# Altium PCB FPGA_Module.PcbDoc (part 6 of 6)
Units mm, origin at the board's own origin, x right, y up, seen from the top; angles counter-clockwise.
Board outline 40 x 50 mm, 6 copper layers (Top Layer, Int1 (GND), Int2 (Sign), Int3 (Sign), Int4 (GND), Bottom Layer), stack 1.482 mm thick; 195 components, 212 nets, 1182 pads, 669 vias.
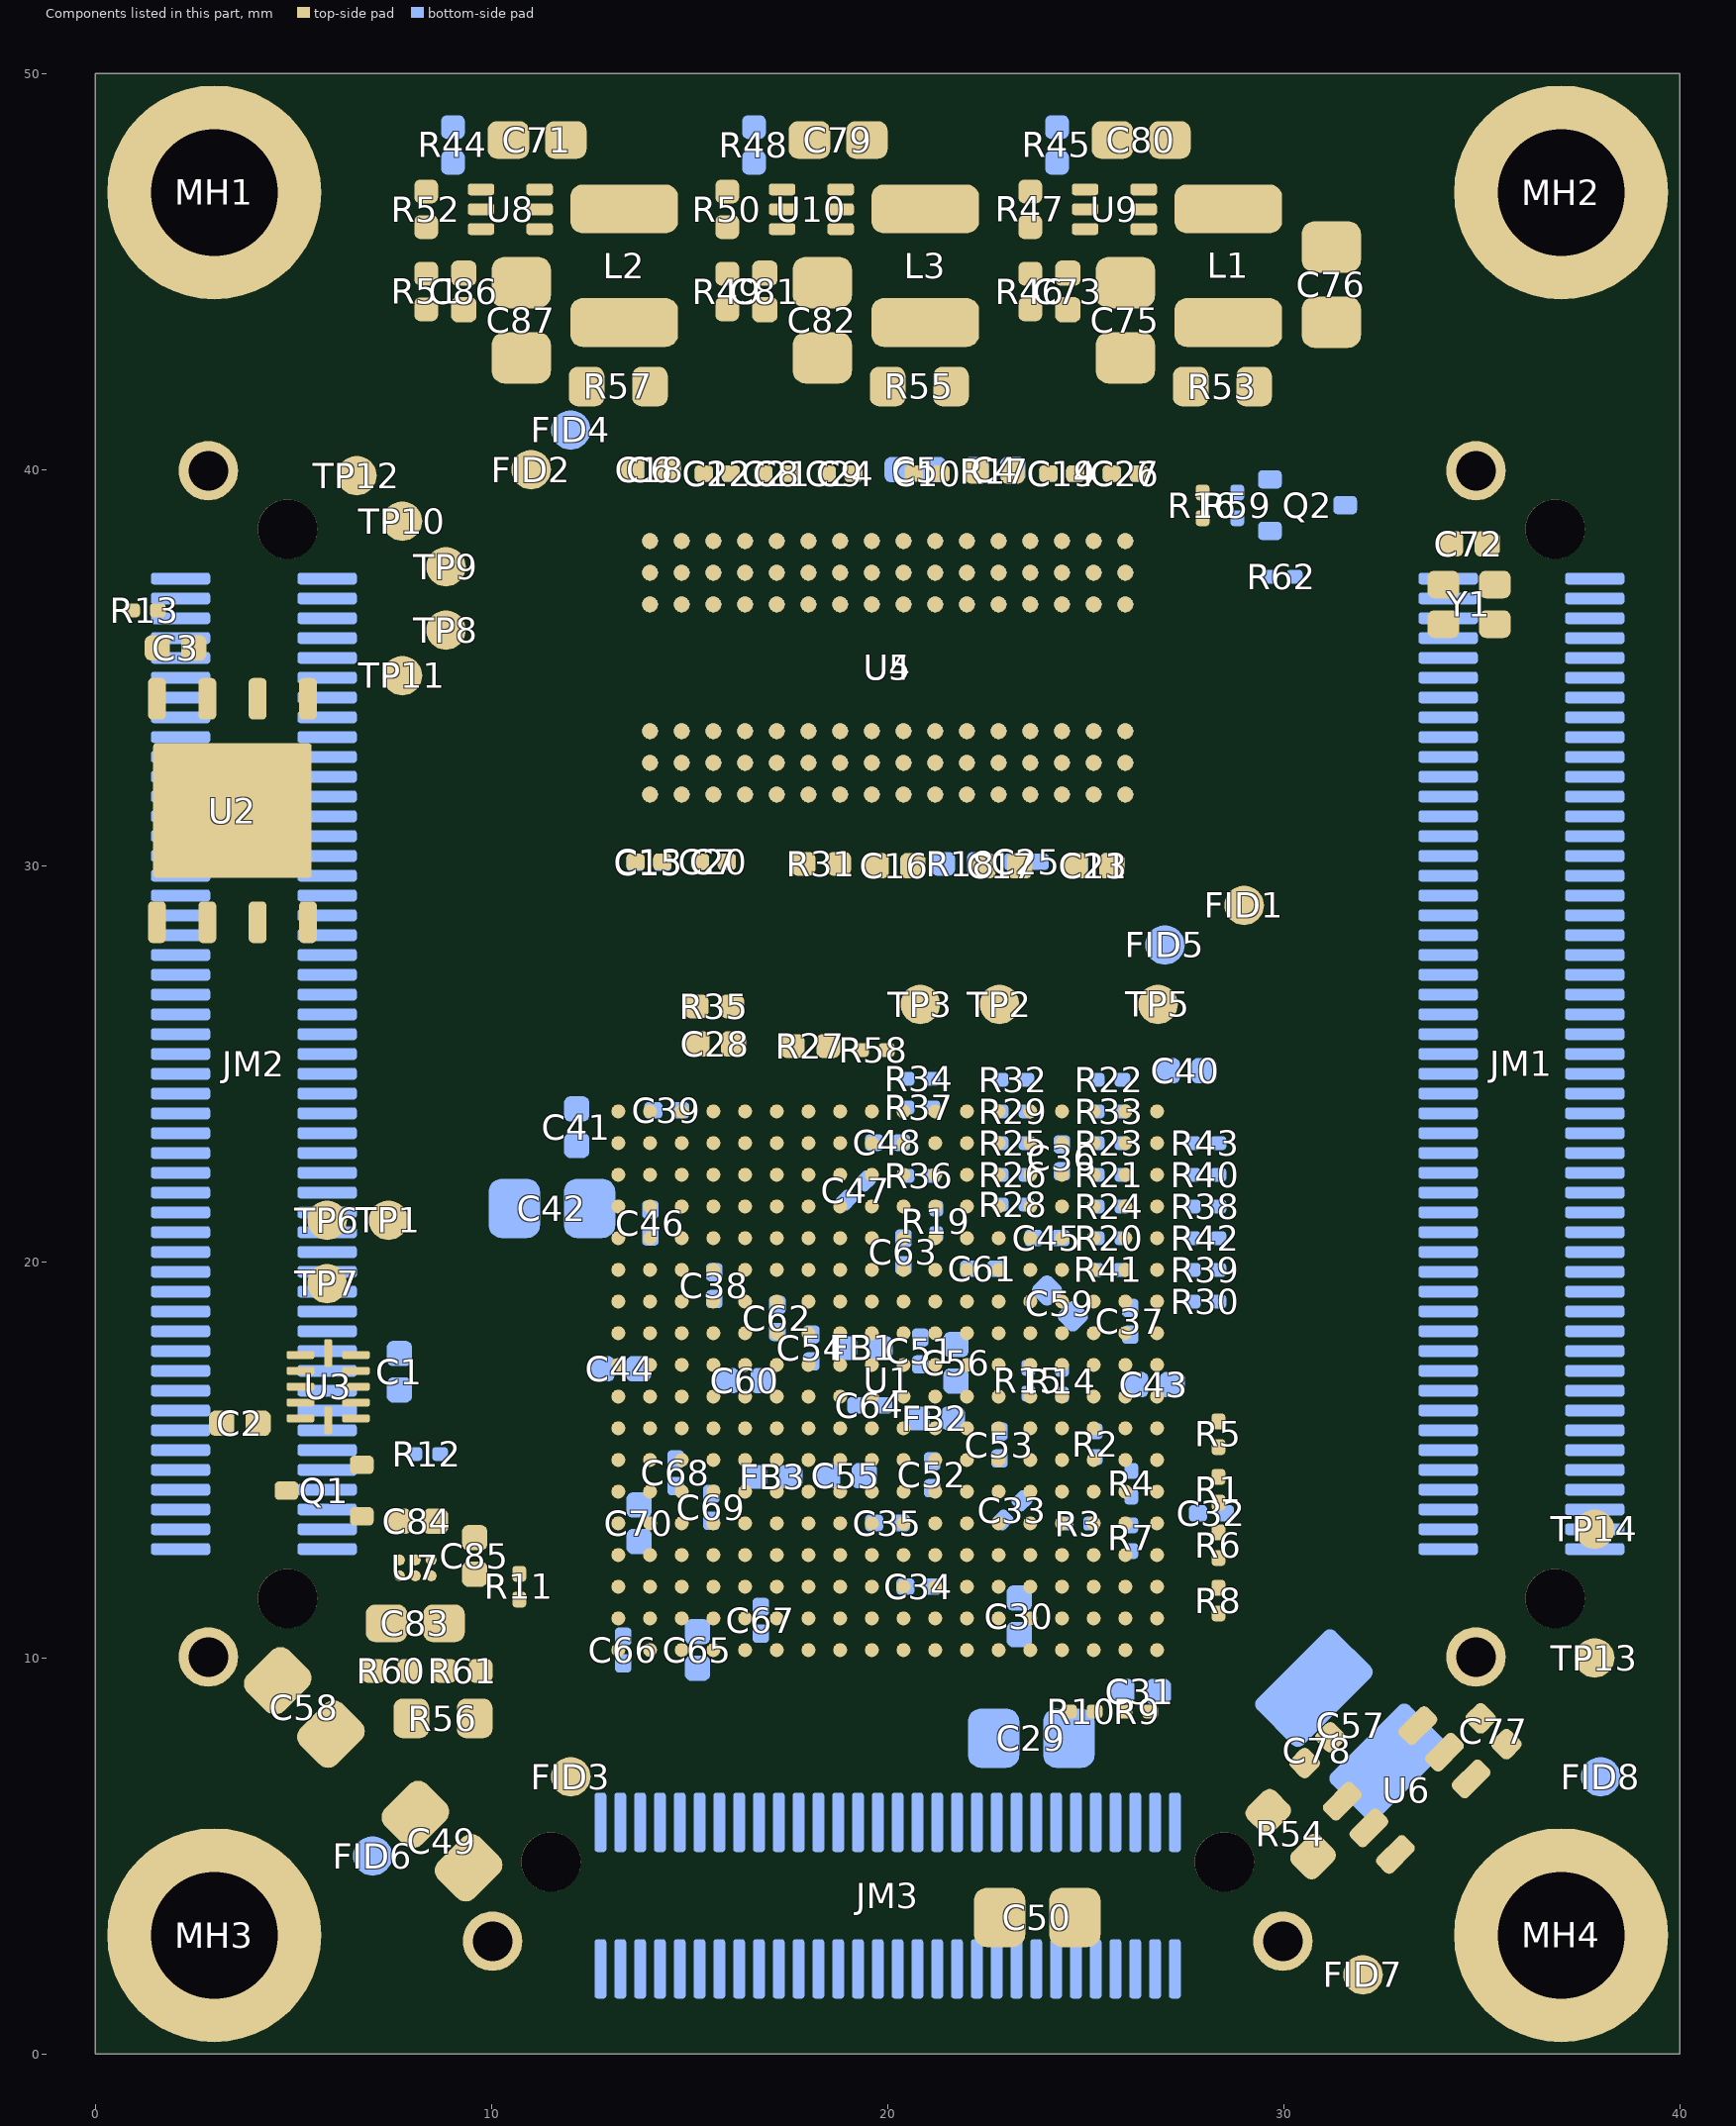
[diagram p10: the components of this part, seen from the top]

## Polygon pours and split planes (outlines as drawn) (continued)
+3V3 on Top Layer "+3V3_L01" (solid, remove dead copper, pour order 29): 29.226,7.801 28.025,6.6 29.387,5.237 30.587,6.437
GND on Top Layer "GND_L01" (solid, remove dead copper, pour order 28): 23.476,4.75 21.525,4.75 21.525,2.237 23.474,2.237
1V0 on Top Layer "1V0_L01" (solid, remove dead copper, pour order 27): 24.075,4.201 26.679,4.201 26.679,2.957 25.959,2.237 24.076,2.237
1V35 on Top Layer "1V35_L01" (solid, remove dead copper, pour order 23): 7.175,15.575 7.175,13.101 8,13.101 8,15.575
GND on Top Layer "GND_L01" (solid, remove dead copper, pour order 26): 10.625,2.85 10.625,5.5 9.888,6.237 8.317,4.667 10.135,2.85
GND on Top Layer "GND_L01" (solid, remove dead copper, pour order 25): 2.35,10.375 5.025,10.375 5.875,9.525 4.475,8.125 2.35,8.125
1V8 on Top Layer "1V8_L01" (solid, remove dead copper, pour order 24): 4.904,7.979 6.062,9.137 9.088,6.112 7.98,5.005
VTTREF on Top Layer "VTTREF_L01" (solid, remove dead copper, pour order 21): 15.775,25.1 15.775,26.75 17.385,26.75 20.3,29.665 20.3,30.325 22.75,30.325 22.75,29.2 21.126,29.2 17.9,25.974 17.9,25.1 17.75,25.1
1V2_MGT on Top Layer "1V2_MGT_L01" (solid, remove dead copper, pour order 18): 11.125,10.975 10.175,10.975 10.175,8.85 9.15,8.85 9.15,8.1 11.125,8.1 11.125,9.05
GND on Int2 (Sign) "GND_L01_P-001" (solid, remove dead copper, pour order 49): 0.3,49.7 39.7,49.7 39.7,0.3 0.3,0.3
1V2_MGT on Int2 (Sign) "1V2_MGT_L03_P006" (solid, remove dead copper, pour order 6): 10,12.5 18,12.5 18,9.575 17.756,9.331 14.33,9.331 13.714,8.715 10,8.715
GND on Int1 (GND) "GND_L01" (solid, remove dead copper, pour order 37): 0.3,49.7 39.7,49.7 39.7,0.3 0.3,0.3
GND on Int4 (GND) "GND_L01" (solid, remove dead copper, pour order 38): 0.3,49.7 39.7,49.7 39.7,0.3 0.3,0.3

## Keep-outs
Top Layer:
  circle w0.254: c37,3 r3.425
  circle w0.254: c37,47 r3.425
Int3 (Sign):
  circle w0.254: c3,47 r3.425
  circle w0.254: c37,3 r3.425
  circle w0.254: c3,3 r3.425
  circle w0.254: c37,47 r3.425
  lines w0.1: 17.6,9.8 17.6,6.395 19.845,4.15 20.922,4.15 21.825,3.247 21.825,2.722 ; 26.25,0.25 26.25,0.775

## Silkscreen, mask and mechanical layers (free items; w line width, h text height)
Top Overlay:
  text "1V8" at 15.1,41.828 h1
  text "1V35" at 22.7,41.828 h1
  text "1V0" at 30.4,41.828 h1
  text "GND" at 7.3,39.578 h1
  text "TCK" at 8.45,38.428 h1
  text "TDO" at 9.55,37.278 h1
  text "TDI" at 9.55,35.678 h1
  text "TMS" at 8.45,34.528 h1
  text "FPGA Module Rev 2 / Aleksa Bjelogrlic" at 39.602,33.3 h1.2 r90
  text "T1" at 20.401,27.226 h1
  text "GND" at 26.151,27.228 h1
  text "T2" at 22.399,27.224 h1
  text "CCLK" at 6.122,21.7 h1 r90
  text "DONE" at 7.672,21.7 h1 r90
  text "GND" at 5.147,18.826 h1 r90
  text "3V3IN" at 36.737,13.953 h1
  text "GND" at 37.176,8.753 h1
  text "1V2" at 10.549,8.224 h1
  text "3V3" at 31.208,4.108 h1 r315
Top Solder:
  region: 9.962,17.437 10.312,17.788 10.787,17.313 10.437,16.963
  region: 14.1,26.85 14.25,26.7 13.775,26.225 13.625,26.375
  region: 13.637,25.837 13.788,25.687 13.313,25.212 13.163,25.362
Mechanical 1:
  the board outline again, w0.1

## Text inside footprints (layer, text, board x,y; h text height)
JM1: Bottom Overlay "1" at 39.7,12.939 h1 r90; Bottom Overlay "2" at 32.825,12.936 h1 r90; Bottom Assembly "1" at 39.725,12.939 h1 r90; Bottom Assembly "2" at 32.825,12.936 h1 r90
JM2: Bottom Overlay "1" at 7.725,12.939 h1 r90; Bottom Overlay "2" at 0.86,12.936 h1 r90; Bottom Assembly "1" at 7.725,12.939 h1 r90; Bottom Assembly "2" at 0.825,12.936 h1 r90
JM3: Bottom Overlay "1" at 27.061,7.725 h1 r180; Bottom Overlay "2" at 27.064,0.86 h1 r180; Bottom Assembly "1" at 27.061,7.725 h1 r180; Bottom Assembly "2" at 27.064,0.825 h1 r180